# Altium PCB PT-MIS-PCB-001_v1.PcbDoc (part 1 of 2)
Units mm, origin at the board's own origin, x right, y up, seen from the top; angles counter-clockwise.
Board outline 95.12 x 89.53 mm, 4 copper layers (Top Layer, Ground Plane, Power Plane, Bottom Layer), stack 1.58 mm thick; 114 components, 60 nets, 390 pads, 166 vias.
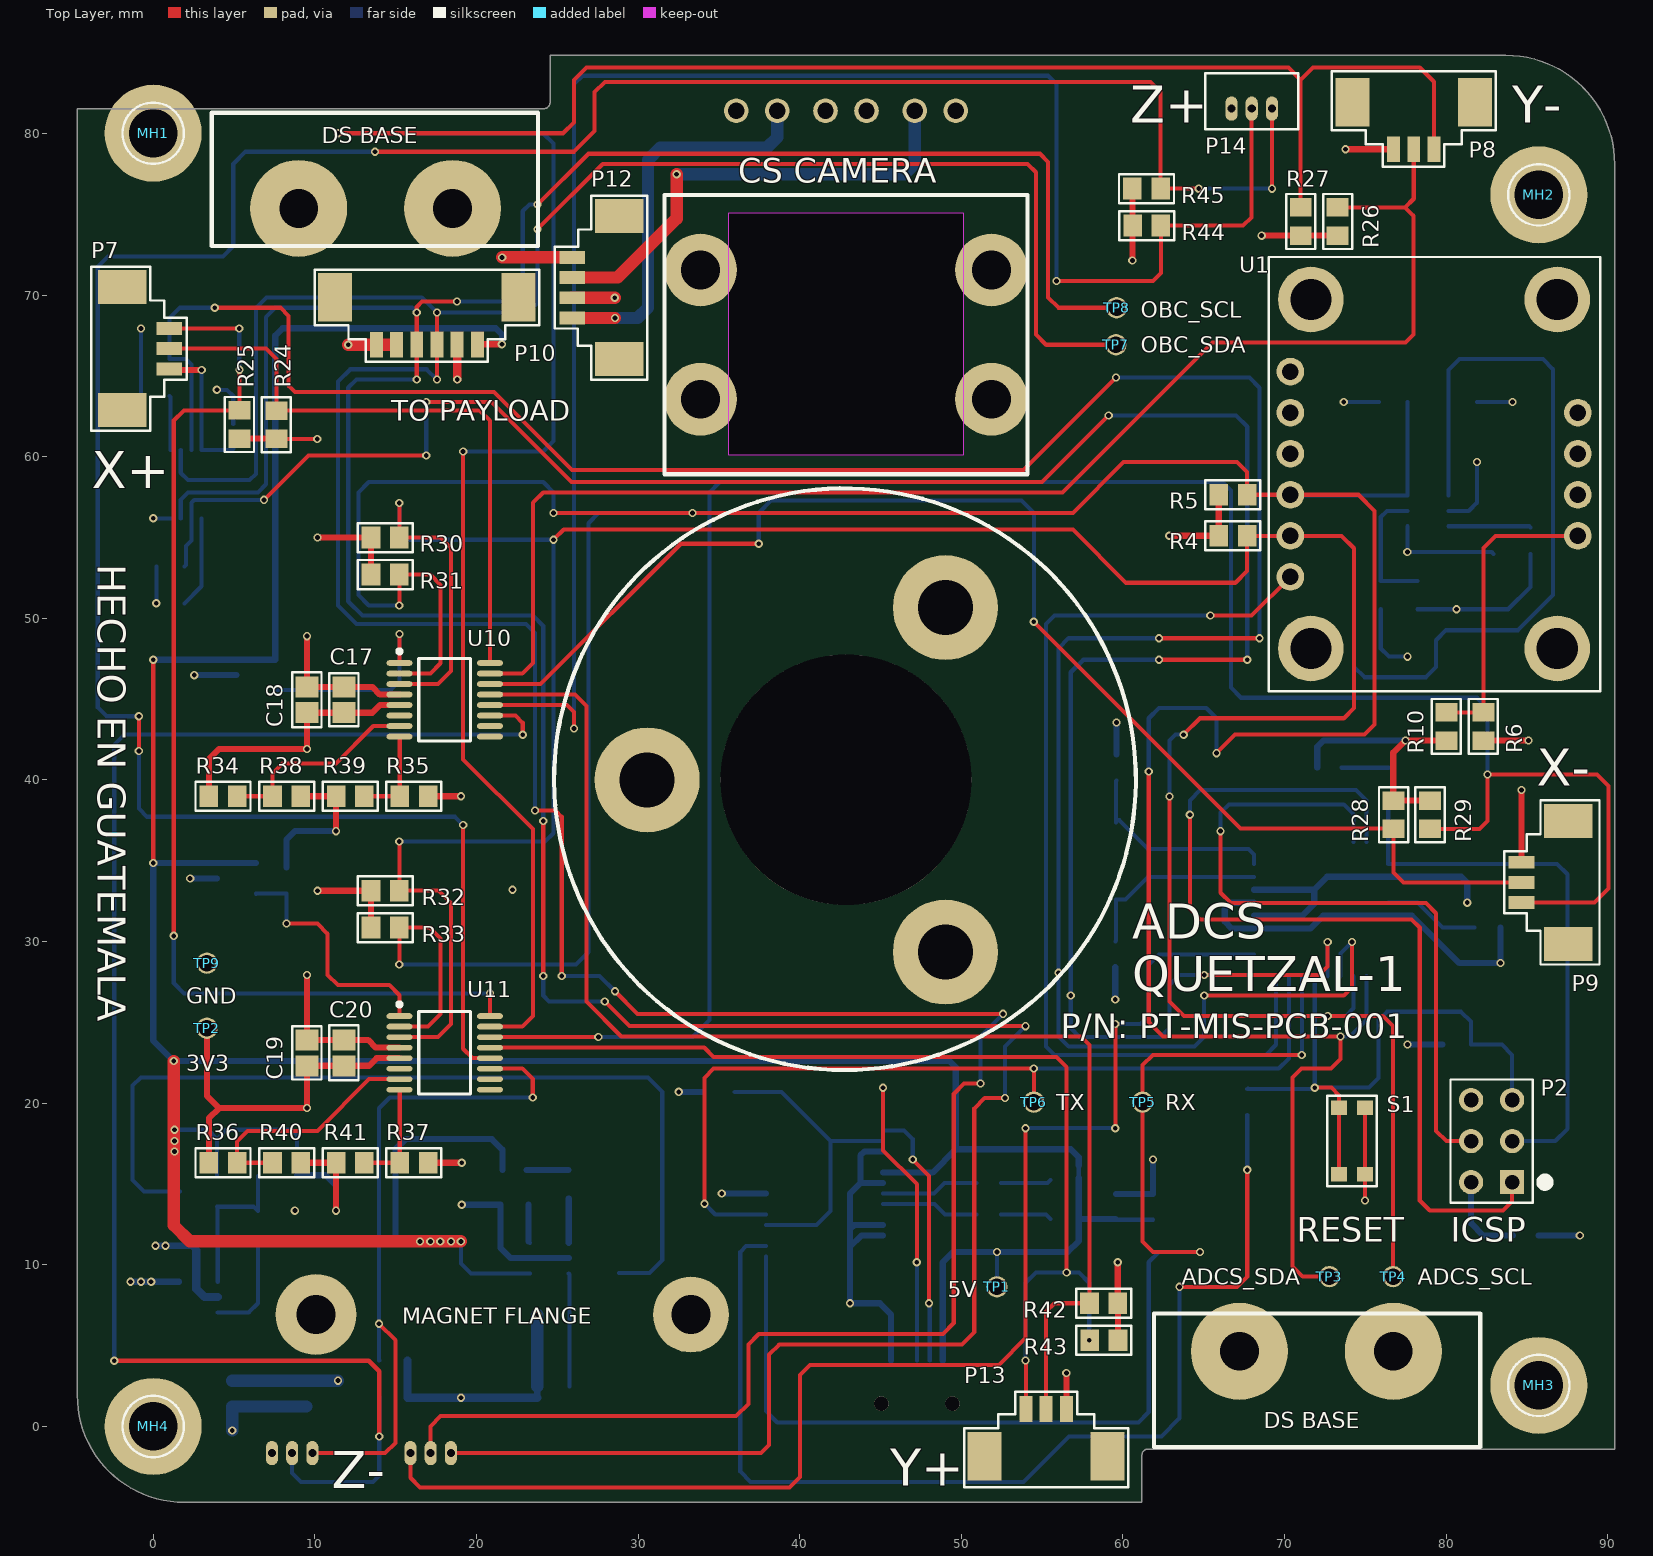
[diagram p0: Top Layer view]
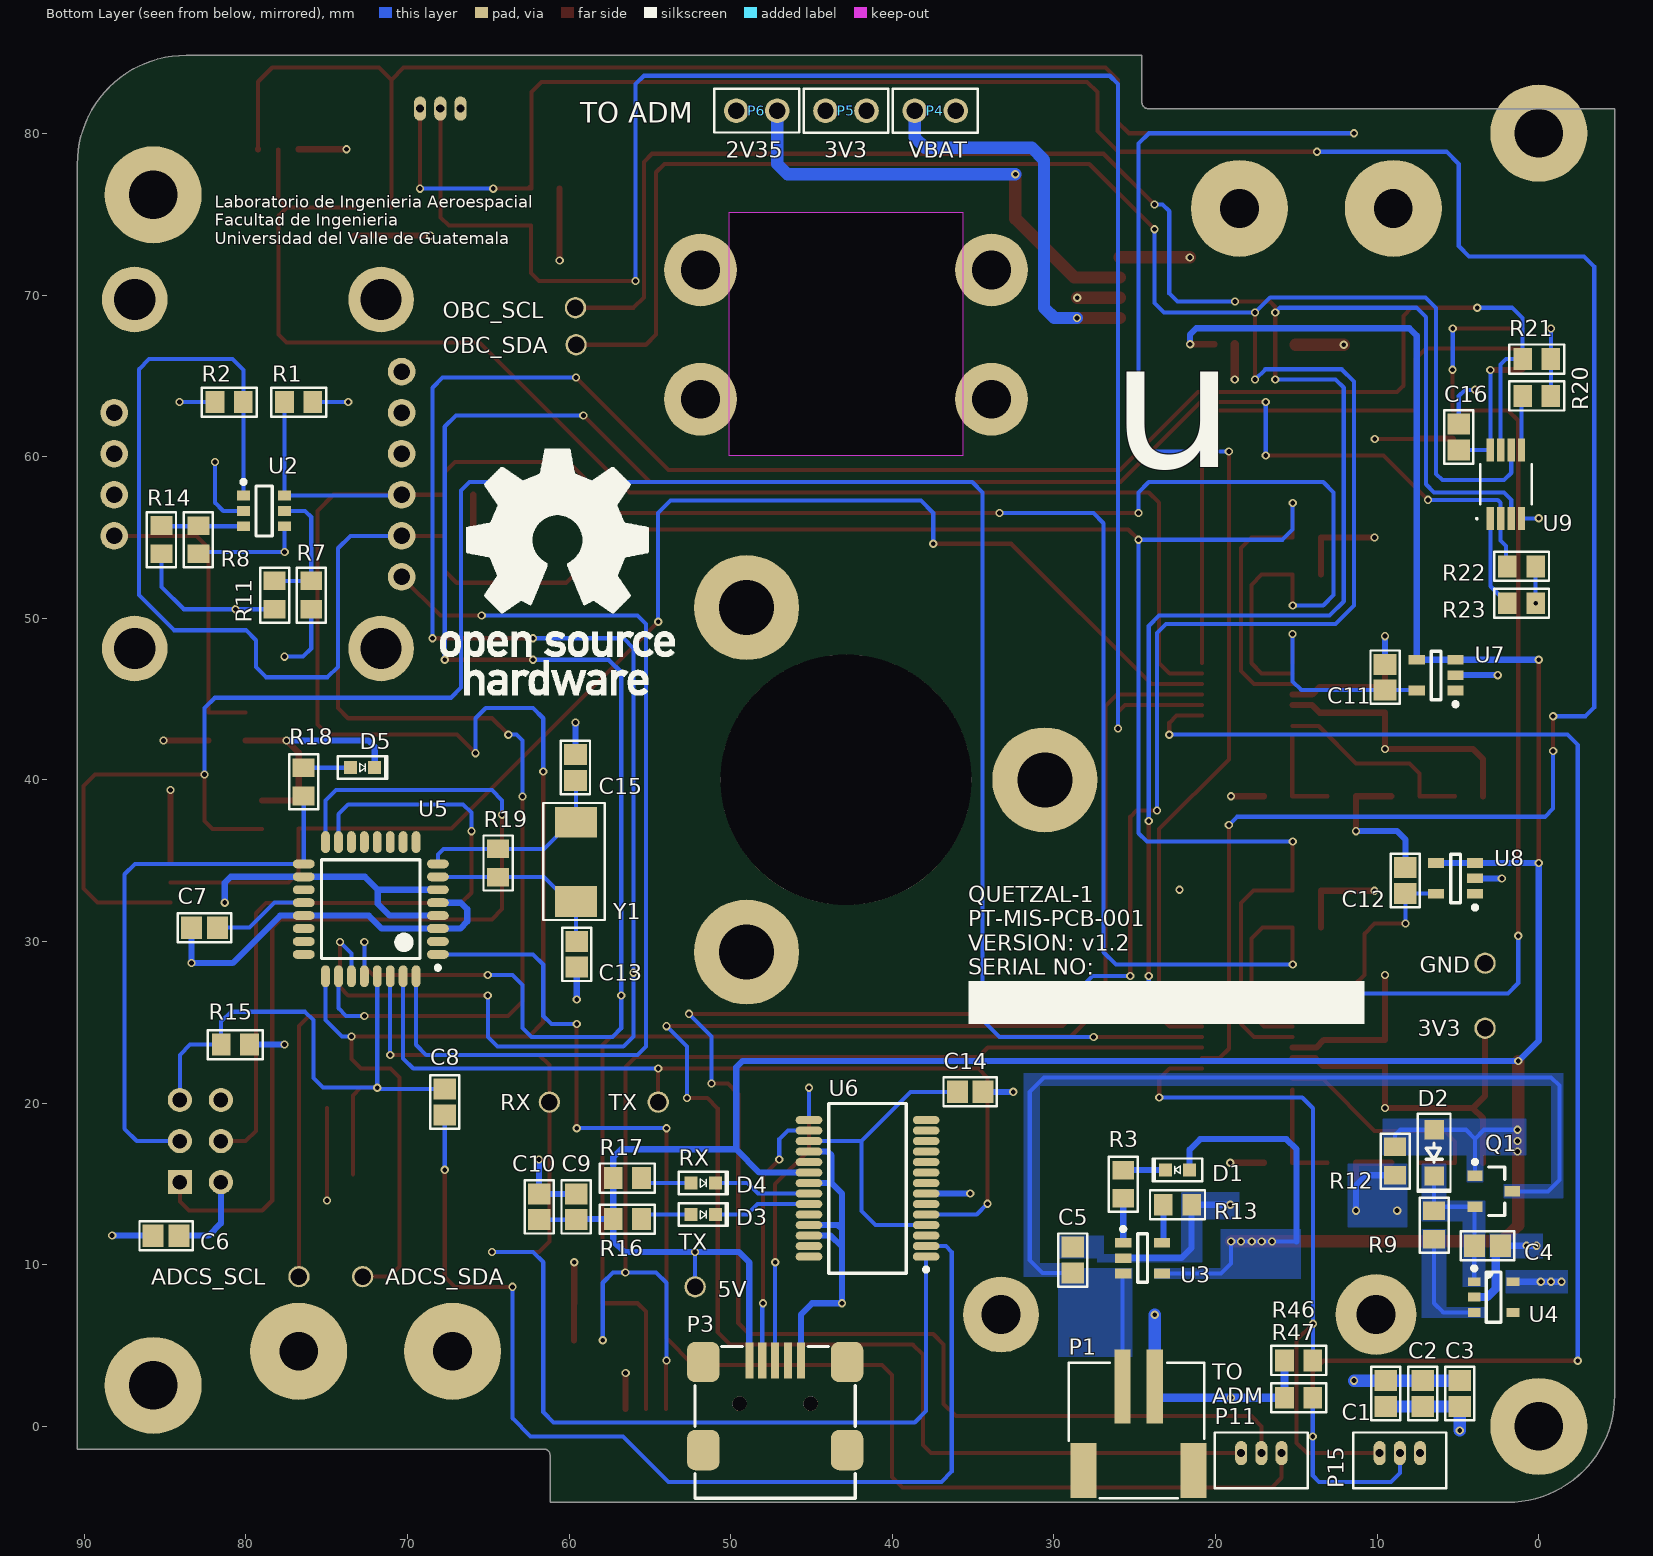
[diagram p1: Bottom Layer view, seen from below]
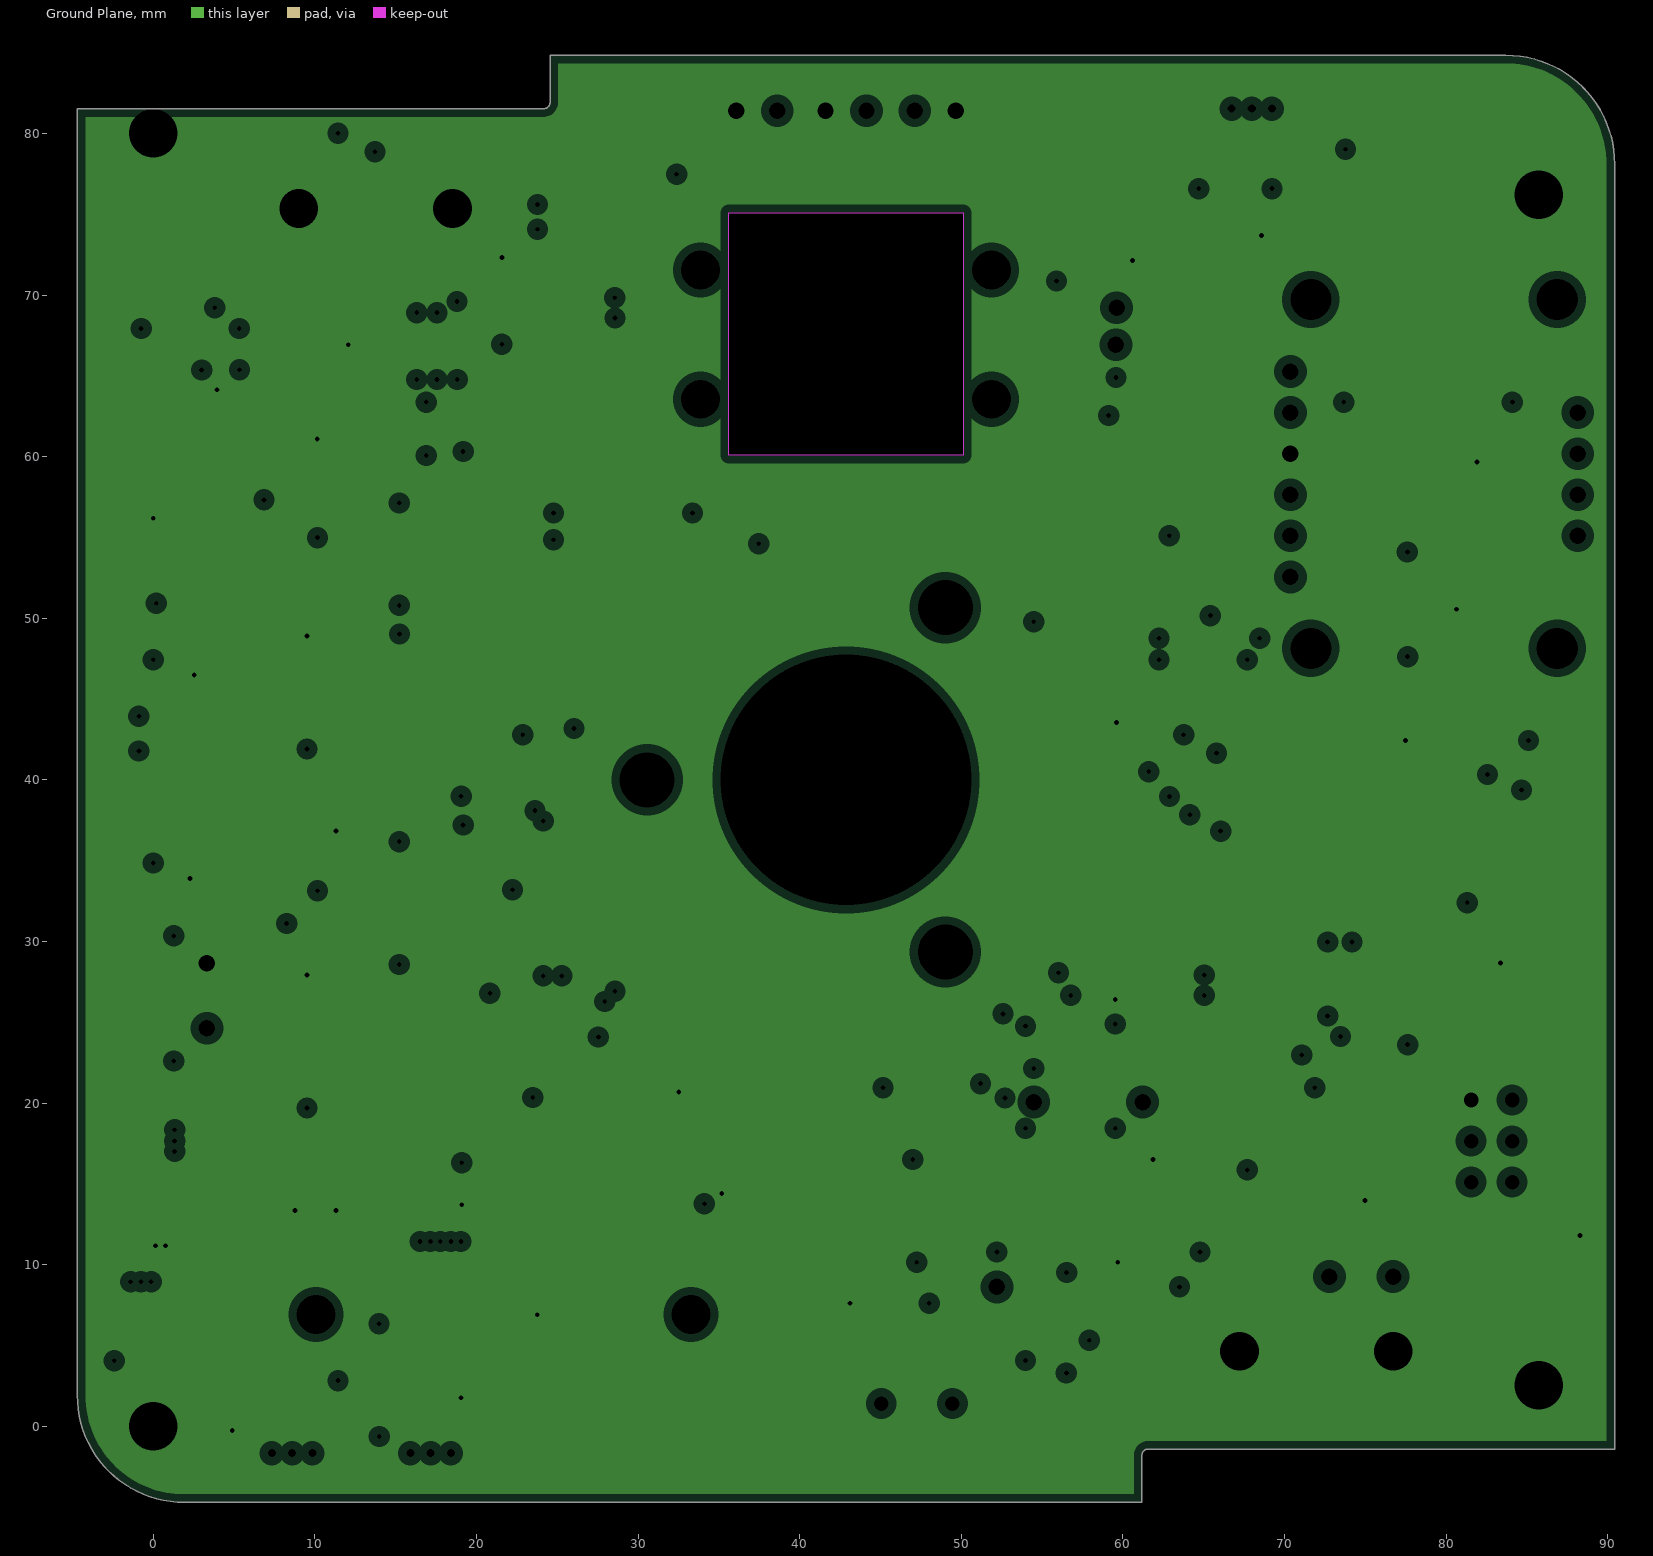
[diagram p2: Ground Plane, clearances drawn from the general rule]
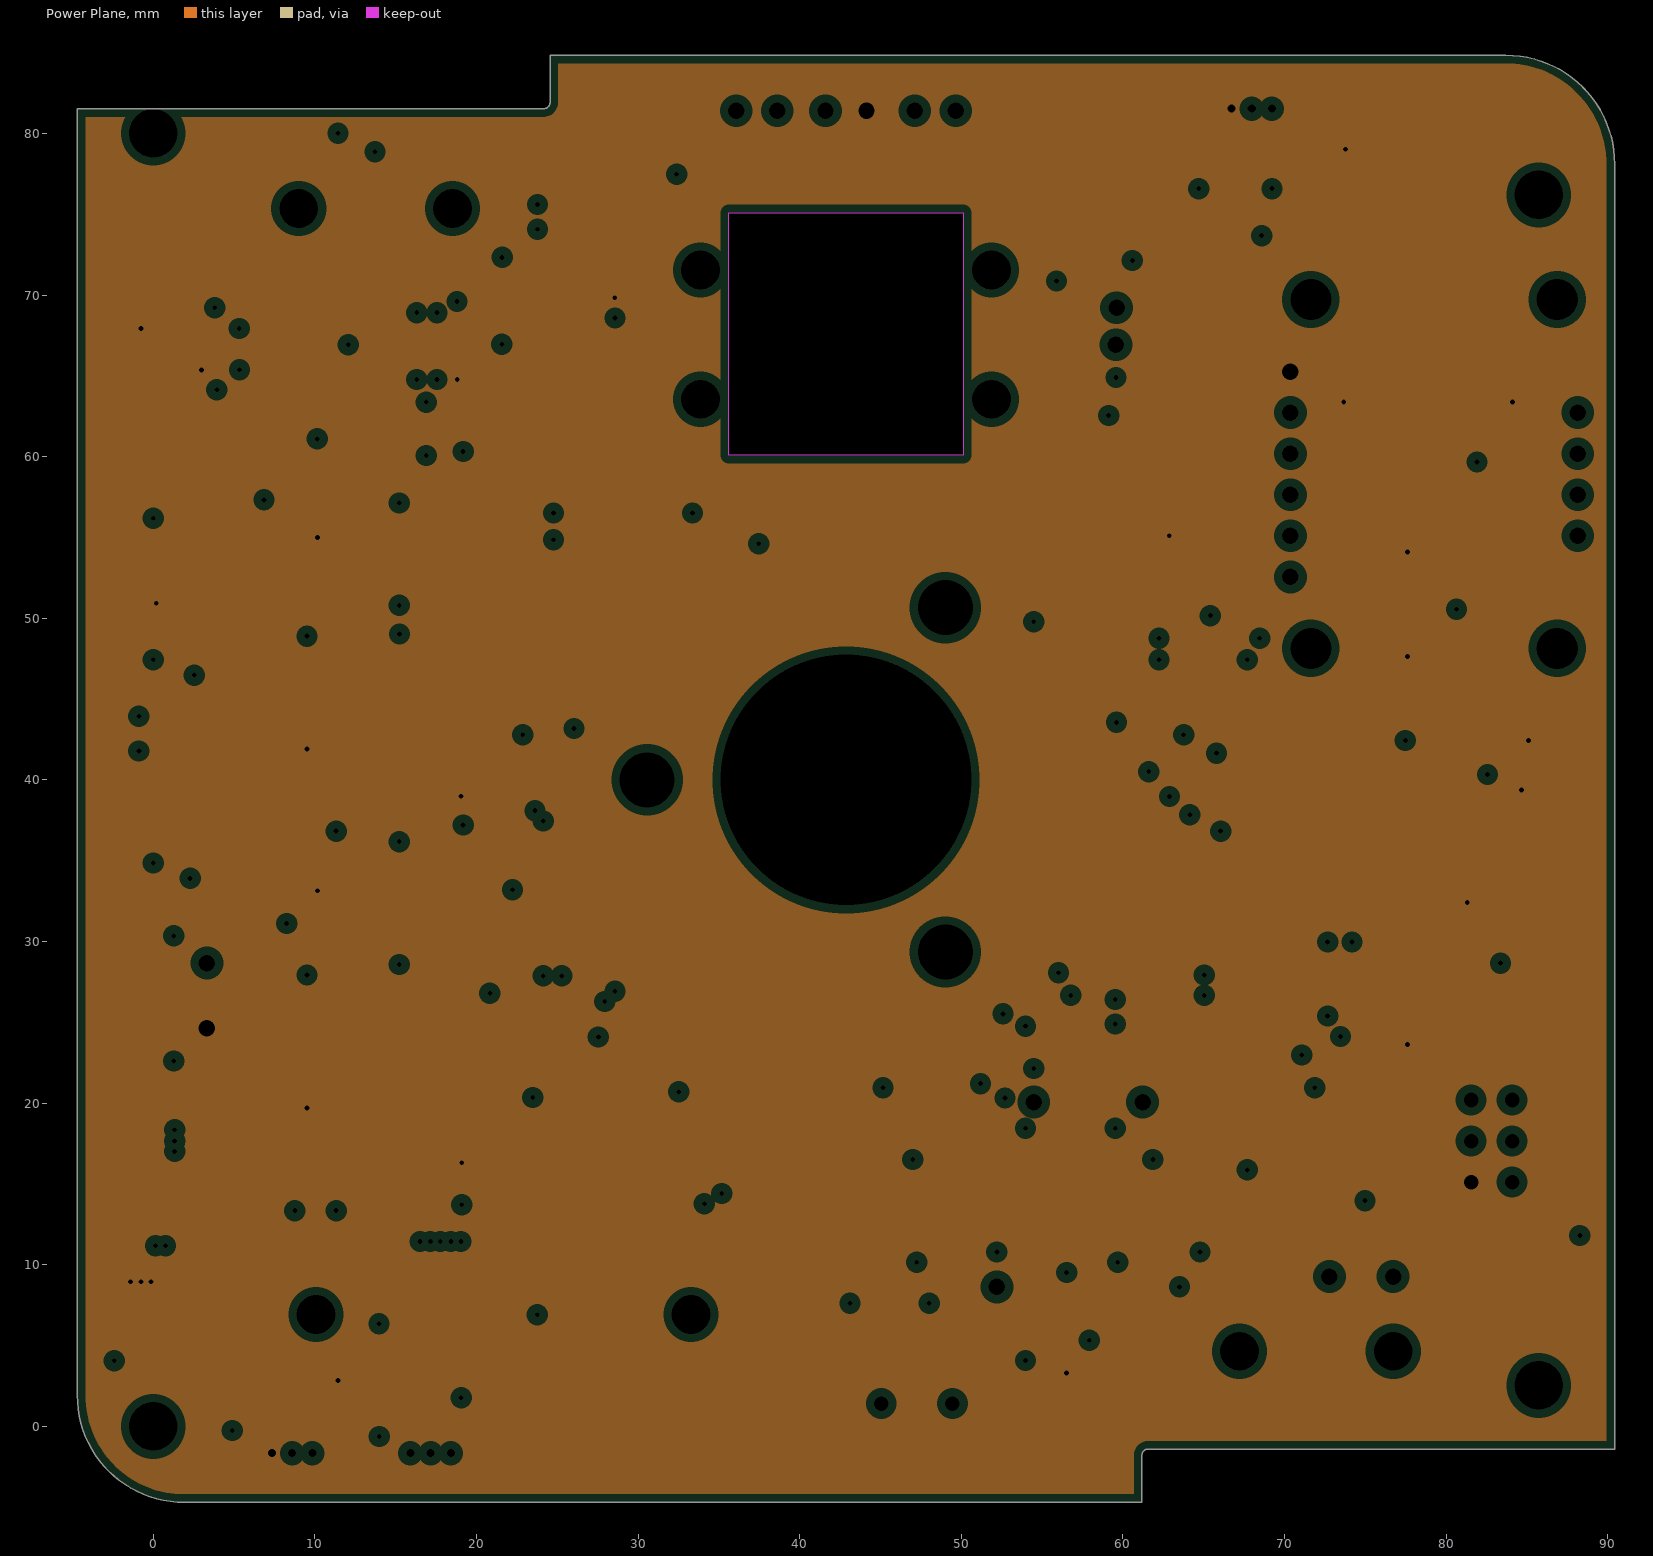
[diagram p3: Power Plane, clearances drawn from the general rule]

## Layer stack, top to bottom
Top Solder: solder mask 0.0102, Solder Resist, Dk 3.5
Top Layer: signal copper 0.0356
Dielectric 1: core 0.4789, FR-4, Dk 4.8
Ground Plane: plane copper 0.036, net GND
Dielectric 3: prepreg 0.4789, Dk 4.2
Power Plane: plane copper 0.036, net 3V3
Dielectric 4: core 0.4789, Dk 4.2
Bottom Layer: signal copper 0.0356
Bottom Solder: solder mask 0.0102, Solder Resist, Dk 3.5

## Board outline
-4.699,1.92 ccw(c1.919,1.921) 1.92,-4.697 cw(c1.92,-5.078) 1.92,-4.697 61.174,-4.697 61.174,-1.778 cw(c61.555,-1.778) 61.555,-1.397 90.424,-1.397 90.424,78.09 cw(c90.805,78.09) 90.424,78.092 cw(c83.684,78.094) 90.424,78.09 90.424,78.092 ccw(c83.684,78.094) 90.424,78.094 ccw(c83.684,78.094) 83.688,84.834 24.551,84.834 24.551,81.915 cw(c24.17,81.915) 24.17,81.534 -4.699,81.534
cut-out: 50.113,60.09 35.612,60.09 35.612,75.09 50.113,75.09

## Design rules (kind name [scope] priority, off if disabled: settings)
Clearance [All] p1: gap=0.127 ignorepadtopadclearanceinfootprint=FALSE
ComponentClearance [All] p1 off: gap=0.254 collisioncheckmode=3 verticalgap=0.254 showdistances=FALSE
HoleSize [All] p1: absolutevalues=TRUE maxlimit=19.05 minlimit=0.3 maxpercent=80.000 minpercent=20.000
MinimumSolderMaskSliver [All] p1 off: minsoldermaskwidth=0.254
PlaneClearance [All] p1: clearance=0.508
PlaneConnect [All] p1: planeconnectstyle=Relief reliefexpansion=0.508 reliefentries=4 reliefconductorwidth=0.254 reliefairgap=0.254
PolygonConnect [All] p1: connectstyle=Direct reliefconductorwidth=0.254 reliefentries=4 polygonreliefangle="90 Angle" airgapwidth=0.254
RoutingVias [All] p1: holewidth=0.711 width=1.27 viastyle="Through Hole" minholewidth=0.711 minwidth=1.27 maxholewidth=0.711 maxwidth=1.27
SilkToSilkClearance [All] p1 off: silktosilkclearance=0.254
SilkToSolderMaskClearance [IsPad] p1 off: minsilkscreentomaskgap=0.254 clearancetoexposedcopper=TRUE
SolderMaskExpansion [All] p1: expansion=0.102
Width [All] p1: maxlimit=2.54 minlimit=0.254 preferedwidth=0.254
23 further rules are at their usual default settings.

## Components (designator, comment, footprint, x,y, rotation, side; value= is the part's Value field where it differs from the comment)
C1 "CC0805KKX7R7BB105" "CAP 0805/2012" 9.464,2.032 r270 bottom
C2 "LMK212BJ106KG-T" "CAP 0805/2012" 7.178,2.032 r90 bottom
C3 "LMK212BJ106KG-T" "CAP 0805/2012" 4.892,2.032 r90 bottom
C4 "CC0805KKX7R7BB105" "CAP 0805/2012" 3.175,11.176 r180 bottom
C5 "LMK212BJ106KG-T" "CAP 0805/2012" 28.829,10.287 r270 bottom
C6 "C2012X7R1H104K085AA" "CAP 0805/2012" 84.925,11.807 r180 bottom
C7 "C2012X7R1H104K085AA" "CAP 0805/2012" 82.55,30.861 r180 bottom
C8 "C2012X7R1H104K085AA" "CAP 0805/2012" 67.691,20.066 r90 bottom
C9 "C0805C104Z3VACTU" "CAP 0805/2012" 59.563,13.589 r270 bottom
C10 "LMK212BJ106KG-T" "CAP 0805/2012" 61.849,13.589 r270 bottom
C11 "GCM155R71H223KA55D" "CAP 0805/2012" 9.514,46.355 r90 bottom
C12 "GCM155R71H223KA55D" "CAP 0805/2012" 8.255,33.782 r90 bottom
C13 "C0805C180J5GAC-TU" "CAP 0805/2012" 59.525,29.21 r90 bottom
C14 "C0805C104Z3VACTU" "CAP 0805/2012" 35.179,20.701 r0 bottom
C15 "C0805C180J5GAC-TU" "CAP 0805/2012" 59.601,40.767 r270 bottom
C16 "C0805C104Z3VACTU" "CAP 0805/2012" 4.953,61.214 r270 bottom
C17 "C0805C104Z3VACTU" "CAP 0805/2012" 11.8,44.958 r270 top
C18 "F921C105MPA" "CAP 0805/2012 TANTALUM" 9.514,44.958 r90 top
C19 "C0805C104Z3VACTU" "CAP 0805/2012" 9.514,23.114 r270 top
C20 "F921C105MPA" "CAP 0805/2012 TANTALUM" 11.8,23.114 r90 top
D1 "APT1608SYCK" "LED 0603/1608 YELLOW" 22.352,15.875 r0 bottom
D2 "MBR120VLSFT3G" SOD123F 6.477,16.925 r270 bottom
D3 "APT1608SYCK" "LED 0603/1608 YELLOW" 51.694,13.106 r180 bottom
D4 "APT1608SGC" "LED 0603/1608 GREEN" 51.694,15.056 r180 bottom
D5 "APT1608SYCK" "LED 0603/1608 YELLOW" 72.771,40.767 r180 bottom
MH1 "MH_3.8MMNC_2.5MMD" MH_3.8MMNC_2.5MMD_NON_COPPER_NPTH 0,80.01 r0 top
MH2 "MH_3.8MMNC_2.5MMD" MH_3.8MMNC_2.5MMD_NON_COPPER_NPTH 85.725,76.2 r0 top
MH3 "MH_3.8MMNC_2.5MMD" MH_3.8MMNC_2.5MMD_NON_COPPER_NPTH 85.725,2.54 r0 top
MH4 "MH_3.8MMNC_2.5MMD" MH_3.8MMNC_2.5MMD_NON_COPPER_NPTH 0,0 r0 top
P1 "S2B-PH-SM4-TB" S2B-PH-SM4-TB(LF)(SN) 24.762,-0.127 r180 bottom
P2 "67997-106HLF" 67997-106HLF 82.804,17.657 r90 top
P3 "10033526-N3212LF" "FCI USB 10033526-N3212LF" 47.244,0.254 r0 bottom
P4 "61300211121" 61300211121 37.338,81.403 r180 bottom
P5 "61300211121" 61300211121 42.862,81.403 r180 bottom
P6 "61300211121" 61300211121 48.387,81.404 r0 bottom
P7 "0532610371" 0532610371 -0.455,66.685 r270 top
P8 "0532610371" 0532610371 77.988,80.465 r180 top
P9 "0532610371" 0532610371 86.106,33.655 r90 top
P10 "0533980671" 0533980671 13.806,66.925 r180 top
P11 "0530470310" 0530470310 17.165,-1.651 r180 bottom
P12 "0533980471" 0533980471 27.379,70.455 r90 top
P13 "0532610371" 0532610371 55.245,-0.381 r0 top
P14 "0530470310" 0530470310 67.965,81.534 r180 top
P15 "0530470310" 0530470310 8.596,-1.651 r180 bottom
Q1 "DMG3415U-7" "DIODES SOT-23-3" 2.8,14.545 r180 bottom
R1 "RC0805FR-0710KL" "RES 0805/2012" 76.725,63.373 r180 bottom
R2 "RC0805FR-0710KL" "RES 0805/2012" 81.026,63.373 r0 bottom
R3 "RNCP0805FTD1K00" "RES 0805/2012" 25.711,14.986 r90 bottom
R4 "RR1220P-103-D" "RES 0805/2012" 66.802,55.103 r0 top
R5 "RR1220P-103-D" "RES 0805/2012" 66.802,57.643 r0 top
R6 "RR1220P-103-D" "RES 0805/2012" 82.296,43.307 r90 top
R7 "RC0805FR-0710KL" "RES 0805/2012" 75.946,51.435 r270 bottom
R8 "RC0805FR-0710KL" "RES 0805/2012" 82.931,54.861 r270 bottom
R9 "RPC0805JT100K" "RES 0805/2012" 6.477,12.457 r270 bottom
R10 "RR1220P-103-D" "RES 0805/2012" 80.01,43.307 r270 top